# Altium PCB CalibratorPCB_v1.PcbDoc (part 2 of 3)
Units mm, origin at the board's own origin, x right, y up, seen from the top; angles counter-clockwise.
Board outline 100 x 100 mm, 4 copper layers (Top Layer, GND Layer, Power Layer, Bottom Layer), stack 1.526 mm thick; 212 components, 158 nets, 815 pads, 422 vias.
Unrouted connection lines stored in the file: 1.
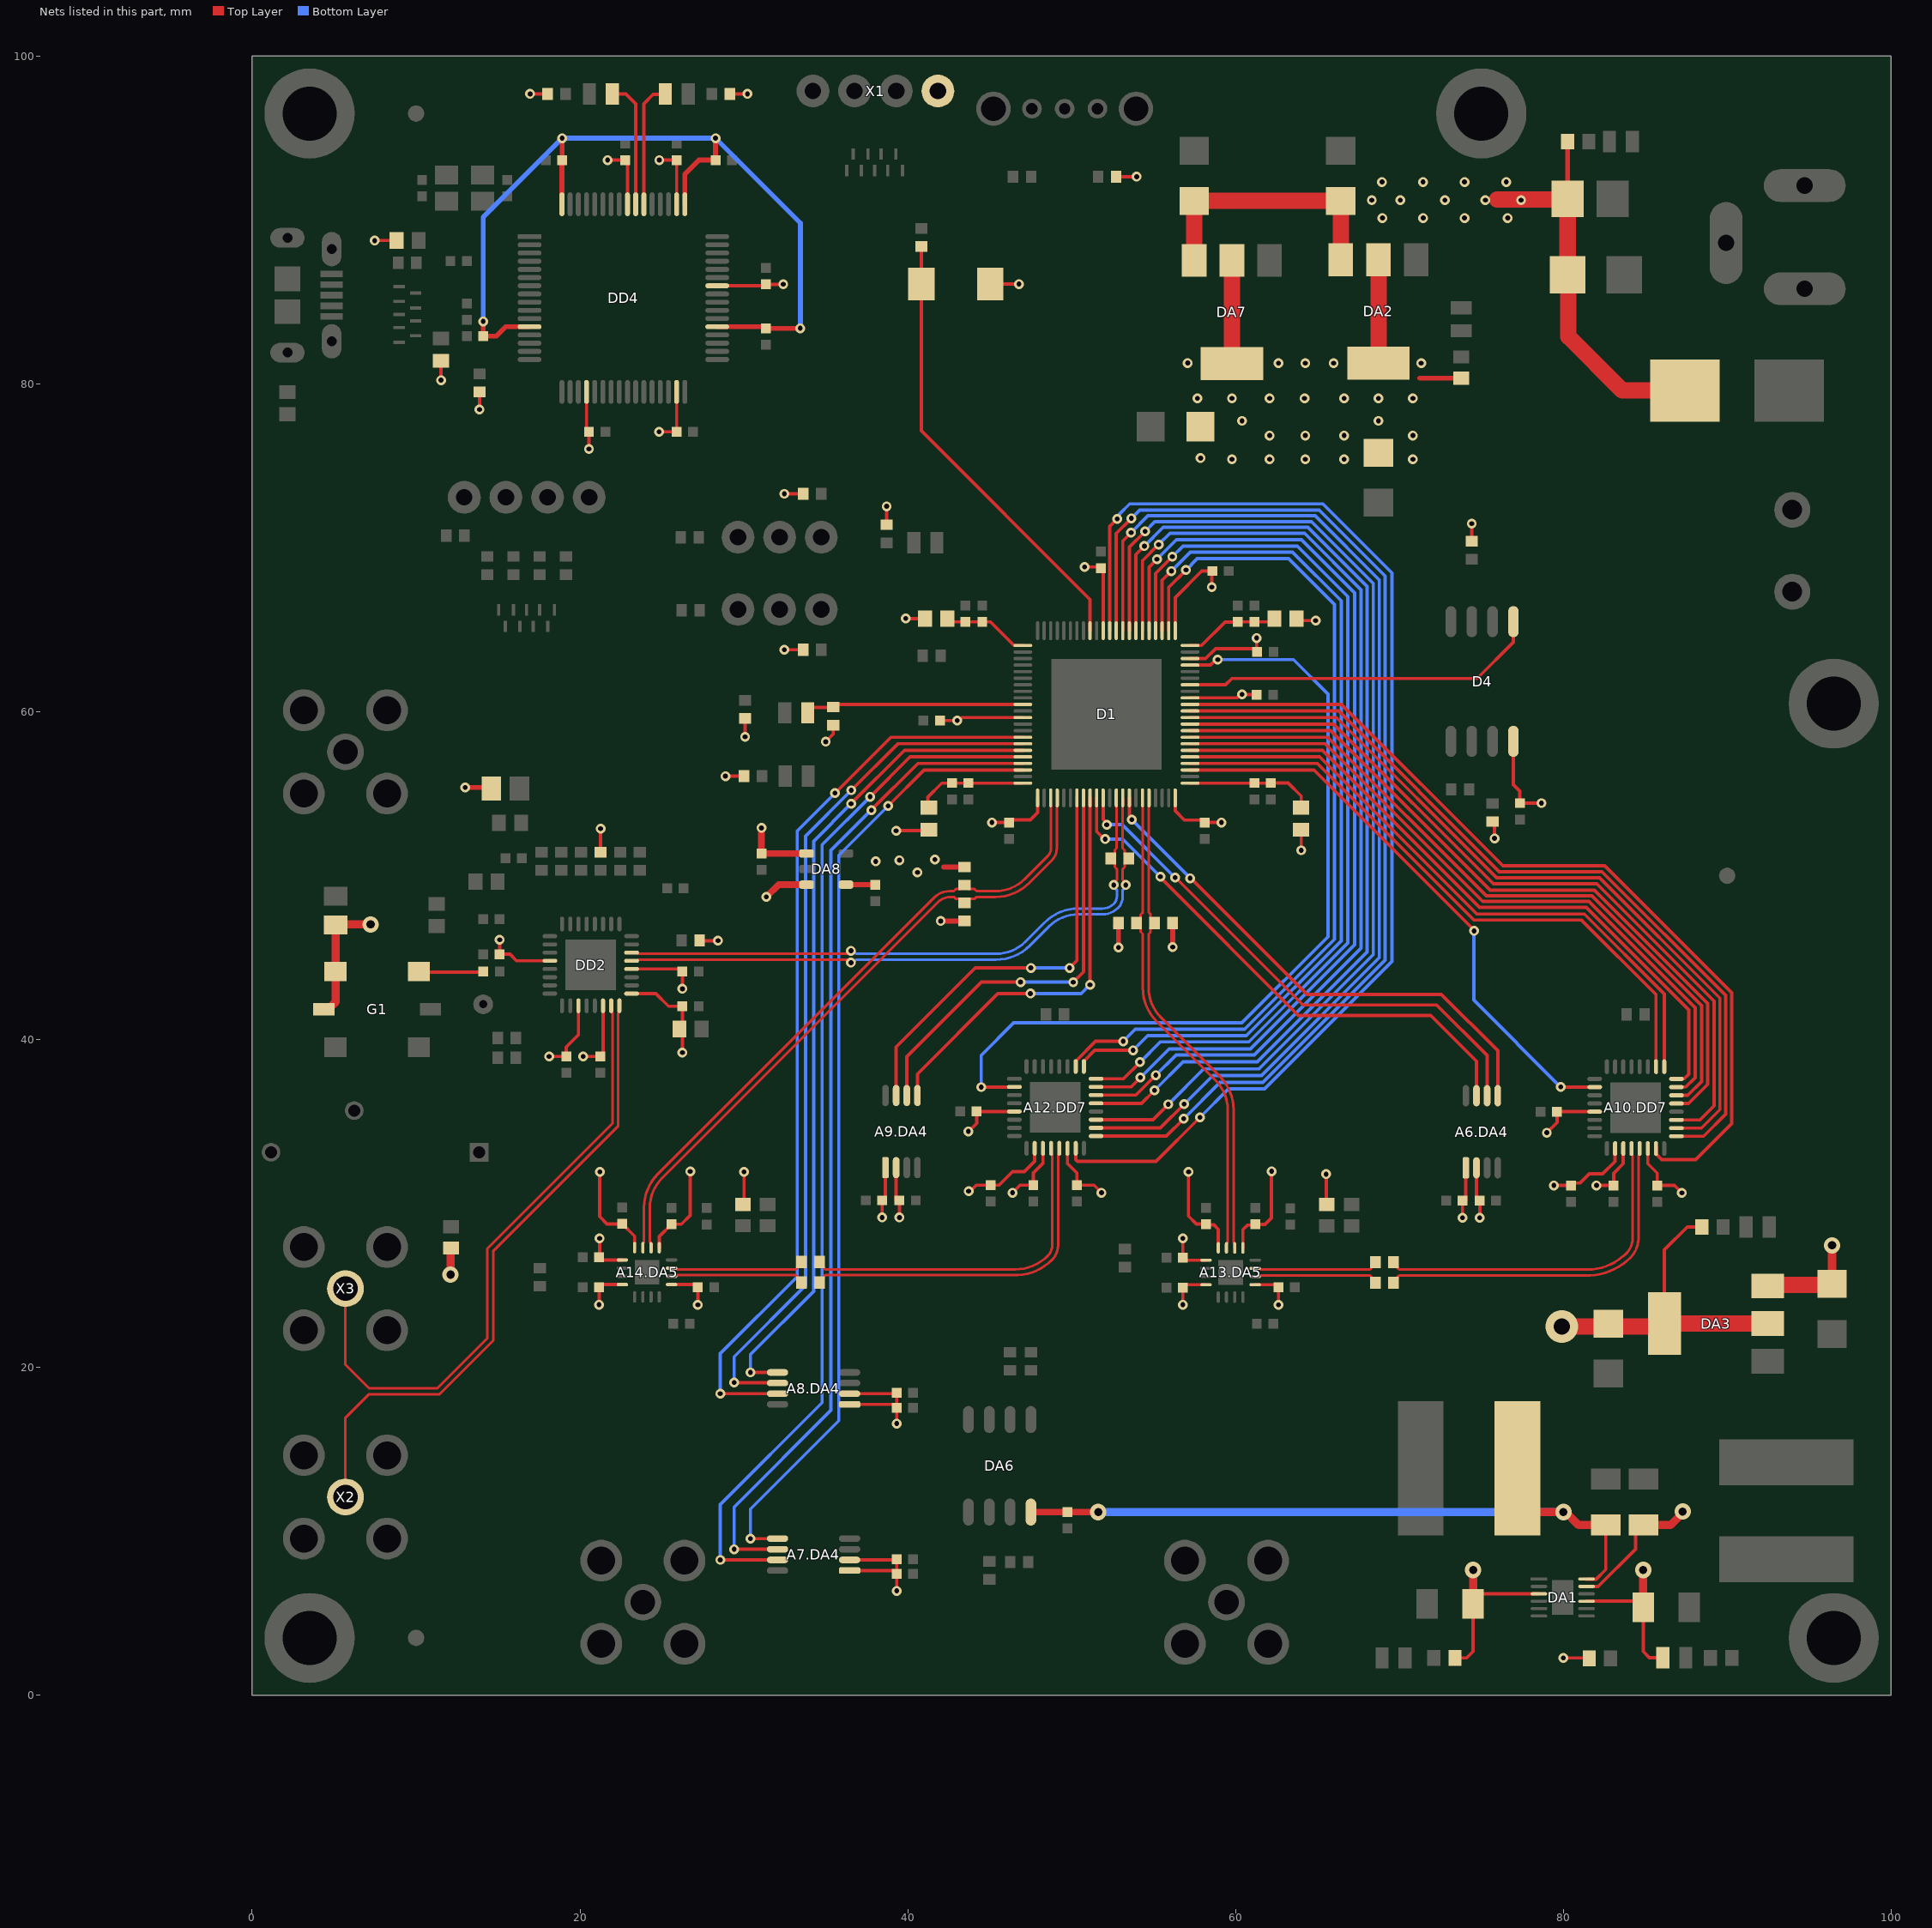
[diagram p4: the nets of this part, all layers, seen from the top]

## Footprints (in the part's own frame and the unit in brackets; to place one, negate y for a bottom-side part, rotate by r counter-clockwise, add the part's x,y. Pads: shape width x height; smd on the part's side, far side on the other; paste and mask are expansions set on the pad) (continued)
SOT-223 [mm]
  rect 1.5x2 smd: 1(-2.3,-3.15) 2(0,-3.15) 3(2.3,-3.15)
  rect 3.8x2 smd: 4(0,3.15)
  silkscreen extent -3.3,-1.75 3.3,1.75, body extent -3.15,-3.68 3.35,3.28, height 1.65
SW_SKRKAEE020 [mm]
  rect 1.6x2 smd: 1(0,0) 2(4.2,0)
  silkscreen extent -0.4,-1.5 4.5,1.5, body extent -0.35,-1.45 4.55,1.45, height 2
TRIM_3006P-1-103LF [mm]
  rect 1.14x1.14 hole 0.74: 1(-7.62,1.27)
  round 1.14 hole 0.74: 2(0,-1.27) 3(5.08,1.27)
  silkscreen extent -11.49,-2.41 9.9,2.41, body extent -10.67,-2.47 9.91,2.36, height 6.6
TSOP65P490X110-8N [mm] "TSOP, 8-Leads, Body 3,00x3,00mm, Pitch 0,65mm, IPC Medium Density"
  rrect50% 1.3x0.4 smd: 1(-2.2,0.975)
  oval 1.3x0.4 smd: 2(-2.2,0.325) 3(-2.2,-0.325) 4(-2.2,-0.975) 5(2.2,-0.975) 6(2.2,-0.325) 7(2.2,0.325) 8(2.2,0.975)
  silkscreen extent -2.32,-1.55 1.15,1.9, body extent -2.45,-1.55 2.45,1.55, height 1.1
TSX-3225_V [mm] "SMD, 4-Leads, Body 3.2x2.5mm"
  rect 1.4x1.15 smd: 1(-1.1,-0.8) 2(1.1,-0.8) 3(1.1,0.8) 4(-1.1,0.8)
  silkscreen extent -2.25,-1.75 -2.15,-1.65, body extent -1.6,-1.25 1.6,1.25, height 0.6
TYPEA [mm] "Molded Capacitor, 2-Leads, Body 3.40x1.80mm"
  rect 1.7x1.8 smd: 1(-1.525,0) 2(1.525,0)
  silkscreen extent -2.88,-0.9 0.27,0.9, body extent -1.92,-0.9 1.92,0.9, height 1.8
TYPEB [mm] "Molded Capacitor, 2-Leads, Body 3.7x3mm, IPC Medium Density"
  rect 1.95x2.25 smd: 1(-1.375,0) 2(1.375,0)
  silkscreen extent -2.62,-1.5 1.85,1.8, body extent -1.85,-1.5 1.85,1.5, height 2.11
U-DFN3810-9 [mm]
  rect 0.2x0.7 smd: 1(-1.7,-0.5) 2(-0.8,-0.5) 3(0,-0.5) 4(0.8,-0.5) 5(1.7,-0.5) 6(1.3,0.5) 7(0.4,0.5) 8(-0.4,0.5) 9(-1.3,0.5)
  silkscreen extent -2.38,-1.38 2.16,0.51, body extent -1.92,-0.53 1.92,0.53, height 0.55

## Part data
A6.C40 A7.C40 A8.C40 A9.C40 A13.C55 A13.C56 A13.C57 A13.C58 A13.C59 A13.C60 A13.C61 A14.C55 A14.C56 A14.C57 A14.C58 A14.C59 A14.C60 A14.C61 C1 C2 C3 C4 C5 C6 C7 C8 C12 C13 C14 C15 C16 C19 C21 C23 C25 C26 C27 C28 C30 C42 C44 C45 C46 C49 C50 C51 C52 C53 C54 C66: library part CAP0402, Manufacturer="Samsung Electro-Mechanics", ManufacturerAlt=JLCPCB, MPN=CL05B104KB54PNC, MPNAlt=C307331, Tolerance=10%, Voltage=50V, CFootprint=CAP0402, ClassName=Capacitor, ComponentLink1Description=Datasheet, ComponentLink1URL=https://datasheet.lcsc.com/lcsc/1810191222_Samsung-Electro-Mechanics-CL05B104KB54PNC_C307331.pdf, Height=0.5mm, MntType=SMD, MSL="MSL 1", Notes="Basic Part", Package=CAP0402, Part Number=CAP0402, PartType="CHIP CERAMIC CAPACITOR", Pins=2, RoHS=Comply, Weight=1.500mg
  A6.C40 A7.C40 A8.C40 A9.C40 A13.C56 A13.C57 A13.C58 A13.C59 A13.C60 A13.C61 A14.C56 A14.C57 A14.C58 A14.C59 A14.C60 A14.C61 C1 C2 C3 C4 C5 C6 C7 C8 C12 C13 C14 C15 C16 C19 C21 C23 C25 C26 C27 C28 C30 C42 C44 C45 C46 C49 C50 C51 C52 C53 C54 C66: BOMDescription="SMD CHIP CERAMIC CAPACITOR CAP0402 100nF 10% 50V  CL05B104KB54PNC"
  A13.C55 A14.C55: BOMDescription="SMD CHIP CERAMIC CAPACITOR CAP0402 0uF 10% 50V  CL05B104KB54PNC"
A6.C41 A7.C41 A8.C41 A9.C41 C47 C48: library part CAP0402, Manufacturer="Samsung Electro-Mechanics", ManufacturerAlt=JLCPCB, MPN=CL05C100JB5NNNC, MPNAlt=C32949, Voltage=50V, BOMDescription="SMD CHIP CERAMIC CAPACITOR CAP0402 10pF  50V  CL05C100JB5NNNC", CFootprint=CAP0402, ClassName=Capacitor, ComponentLink1Description=Datasheet, MntType=SMD, MSL="MSL 1", Package=CAP0402, Part Number=CAP0402, PartType="CHIP CERAMIC CAPACITOR", Pins=2, RoHS=Comply
A6.DA4 A7.DA4 A8.DA4 A9.DA4: library part AD5662, Manufacturer="Analog Devices", Package=MSOP-8, BOMDescription="SMD DAC MSOP-8 AD5662    AD5662BRMZ", CFootprint=TSOP65P490X110-8N, ClassName=DAC, ComponentLink1Description=Datasheet, ComponentLink1URL=https://www.analog.com/media/en/technical-documentation/data-sheets/AD5662.pdf, MntType=SMD, MPN=AD5662BRMZ, MSL="MSL 1", Part Number=AD5662, PartType=DAC, Pins=8, RoHS=Comply
A10.C62 A10.C63 A10.C64 A10.C65 A12.C62 A12.C63 A12.C64 A12.C65 C69 C70: library part CAP0402, CFootprint=CAP0402, ClassName=Capacitor, ComponentLink1Description=Datasheet, MntType=SMD, MSL="MSL 1", Package=CAP0402, Part Number=CAP0402, PartType="CHIP CERAMIC CAPACITOR", Pins=2, RoHS=Comply
  A10.C62 A10.C63 A10.C64 A10.C65 A12.C62 A12.C63 A12.C64 A12.C65: BOMDescription="SMD CHIP CERAMIC CAPACITOR CAP0402 100nF  *"
  C69 C70: BOMDescription="SMD CHIP CERAMIC CAPACITOR CAP0402 1 мк  *"
A10.DD7 A12.DD7: Manufacturer=ONSEMI, Package=QFN-32, BOMDescription="SMD Delay Line QFN-32 Value    MC100EP196BMNG", CFootprint=QFN-32_N_TP, ClassName=DelayLine, ComponentLink1Description=Datasheet, ComponentLink1URL=https://eu.mouser.com/datasheet/2/308/1/MC100EP196B_D-2315397.pdf, MntType=SMD, MPN=MC100EP196BMNG, MSL="MSL 1", Part Number=MC100EP196BMNG, PartType="Delay Line", Pins=32, RoHS=Comply
A10.R48 A12.R48 A13.R43 A13.R44 A14.R43 A14.R44 R9 R15 R49 R50 R51 R52 R54 R55 R58 R59 R60: library part RES0402, Package=RESC0402(1005)_M, CFootprint=RESC0402(1005)_M, ClassName=Resistor, ComponentLink1Description=Datasheet, MntType=SMD, MSL="MSL 1", Part Number=RES0402, PartType="CHIP RESISTOR", Pins=2, RoHS=Comply
  A10.R48 A12.R48 R15: BOMDescription="SMD CHIP RESISTOR RESC0402(1005)_M 100R"
  A13.R43 A13.R44 A14.R43 A14.R44: BOMDescription="SMD CHIP RESISTOR RESC0402(1005)_M 50R"
  R9: BOMDescription="SMD CHIP RESISTOR RESC0402(1005)_M 1K"
  R49 R50 R51 R52: BOMDescription="SMD CHIP RESISTOR RESC0402(1005)_M 0R"
  R54 R55 R58 R59: BOMDescription="SMD CHIP RESISTOR RESC0402(1005)_M 50"
  R60: BOMDescription="SMD CHIP RESISTOR RESC0402(1005)_M 4.7K"
A13.DA5 A14.DA5: library part ADCMP582BCPZ, "Ultrafast SiGe Voltage Comparator, + / - 5 V, 180 ps Delay, Industrial, 16-pin QFN (CP-16-3), Reel", Manufacturer=AD, Package=LFCSP-16, BOMDescription="SMD Comparator LFCSP-16 Value    ADCMP582BCPZ", CFootprint=ADI-CP-16-3_N, ClassName=Comparator, ComponentLink1Description=Datasheet, ComponentLink1URL=https://www.analog.com/media/en/technical-documentation/data-sheets/ADCMP580_581_582.pdf, MntType=SMD, MPN=ADCMP582BCPZ, MSL="MSL 1", Part Number=ADCMP582BCPZ, PartType=Comparator, Pins=16, RoHS=Comply
A13.R45 A14.R45: library part RES0402, Manufacturer="UNI-ROYAL(Uniroyal Elec)", ManufacturerAlt=JLCPCB, MPN=0402WGF4700TCE, MPNAlt=C25117, Package=RESC0402(1005)_M, Tolerance=1%, BOMDescription="SMD CHIP RESISTOR RESC0402(1005)_M 470R 1%   0402WGF4700TCE", CFootprint=RESC0402(1005)_M, ClassName=Resistor, ComponentLink1Description=Datasheet, MntType=SMD, MSL="MSL 1", Part Number=RES0402, PartType="CHIP RESISTOR", Pins=2, RoHS=Comply
A13.R46 A14.R46: library part RES, Manufacturer="UNI-ROYAL(Uniroyal Elec)", ManufacturerAlt=JLCPCB, MPN=0603WAF2400T5E, MPNAlt=C23350, Package=RESC0603N, BOMDescription="SMD CHIP RESISTOR RESC0603N 240    0603WAF2400T5E", CFootprint=RESC0603N, ClassName=Resistor, ComponentLink1Description=Datasheet, MntType=SMD, MSL="MSL 1", Part Number=RES, PartType="CHIP RESISTOR", Pins=2, RoHS=Comply
A13.R47 A14.R47 R24 R28 R29 R32 R33: library part RES, Package=RESC0603N, CFootprint=RESC0603N, ClassName=Resistor, ComponentLink1Description=Datasheet, MntType=SMD, MSL="MSL 1", Part Number=RES, PartType="CHIP RESISTOR", Pins=2, RoHS=Comply
  A13.R47 A14.R47: BOMDescription="SMD CHIP RESISTOR RESC0603N 160R"
  R24: BOMDescription="SMD CHIP RESISTOR RESC0603N 5.1 к"
  R28 R29 R32 R33: BOMDescription="SMD CHIP RESISTOR RESC0603N 10K"
C9: library part CAPC, Package=CAPC0805N, BOMDescription="SMD CHIP CERAMIC CAPACITOR CAPC0805N 100 nF  *", CFootprint=CAPC0805N, ClassName=Capacitor, ComponentLink1Description=Datasheet, MntType=SMD, MSL="MSL 1", Part Number=CAPC, PartType="CHIP CERAMIC CAPACITOR", Pins=2, RoHS=Comply
C10 C11 C17 C29: library part CAPC, Manufacturer="Samsung Electro-Mechanics", ManufacturerAlt=JLCPCB, MPN=CL10A106KP8NNNC, MPNAlt=C19702, Package=CAPC0603N, Tolerance=10%, Voltage=10V, BOMDescription="SMD CHIP CERAMIC CAPACITOR CAPC0603N 10uF 10% 10V  CL10A106KP8NNNC", CFootprint=CAPC0603N, ClassName=Capacitor, ComponentLink1Description=Datasheet, ComponentLink1URL=https://datasheet.lcsc.com/lcsc/1810191219_Samsung-Electro-Mechanics-CL10A106KP8NNNC_C19702.pdf, MntType=SMD, MSL="MSL 1", Part Number=CAPC, PartType="CHIP CERAMIC CAPACITOR", Pins=2, RoHS=Comply
C18 C20 C22 C24: library part CAP0402, Manufacturer="Samsung Electro-Mechanics", ManufacturerAlt=JLCPCB, MPN=CL05A475MP5NRNC, MPNAlt=C23733, Tolerance=20%, Voltage=10V, BOMDescription="SMD CHIP CERAMIC CAPACITOR CAP0402 4.7uF 20% 10V  CL05A475MP5NRNC", CFootprint=CAP0402, ClassName=Capacitor, ComponentLink1Description=Datasheet, ComponentLink1URL=https://datasheet.lcsc.com/lcsc/1810191211_Samsung-Electro-Mechanics-CL05A475MP5NRNC_C23733.pdf, Height=0.5mm, MntType=SMD, MSL="MSL 1", Package=CAP0402, Part Number=CAP0402, PartType="CHIP CERAMIC CAPACITOR", Pins=2, RoHS=Comply, Weight=1.500mg
C31 C32 C33 C34: library part CAPC, Package=CAPC3216N, CFootprint=CAPC3216N, ClassName=Capacitor, ComponentLink1Description=Datasheet, MntType=SMD, MSL="MSL 1", Part Number=CAPC, PartType="CHIP CERAMIC CAPACITOR", Pins=2, RoHS=Comply
  C31 C32 C34: BOMDescription="SMD CHIP CERAMIC CAPACITOR CAPC3216N 10uF  *"
  C33: BOMDescription="SMD CHIP CERAMIC CAPACITOR CAPC3216N 100nF  *"
C35: library part "Cap TANTAL", Manufacturer=KEMET, ManufacturerAlt=JLCPCB, MPN=T491B107M010AT, MPNAlt=C90975, Package=TYPEB, Tolerance=20%, Voltage=10V, BOMDescription="SMD CHIP TANTALUM CAPACITOR TYPEB 100uF 20% 10V  T491B107M010AT", CFootprint=TYPEB, ClassName=Capacitor, ComponentLink1Description=Datasheet, ComponentLink1URL=https://content.kemet.com/datasheets/KEM_T2005_T491.pdf, Height=1.9mm, MntType=SMD, MSL="MSL 1", Part Number="Cap TANTAL", PartType="CHIP TANTALUM CAPACITOR", Pins=2, RoHS=Comply, Weight=107.45mg
C36 C37 C38 C39: library part "Cap TANTAL", Manufacturer=AVX, ManufacturerAlt=JLCPCB, MPN=TAJA106K016RNJ, MPNAlt=C7171, Package=TYPEA, Tolerance=10%, Voltage=16V, BOMDescription="SMD CHIP TANTALUM CAPACITOR TYPEA 10uF 10% 16V  TAJA106K016RNJ", CFootprint=TYPEA, ClassName=Capacitor, ComponentLink1Description=Datasheet, ComponentLink1URL=https://datasheets.kyocera-avx.com/TAJ.pdf, Height=1.60, MntType=SMD, MSL="MSL 1", Part Number="Cap TANTAL", PartType="CHIP TANTALUM CAPACITOR", Pins=2, RoHS=Comply
C43: library part CAP0402, Manufacturer=TDK, ManufacturerAlt=JLCPCB, MPN=C1005X5R0J335MTJ00E, MPNAlt=C694161, Voltage=6.3V, BOMDescription="SMD CHIP CERAMIC CAPACITOR CAP0402 3.3uF  6.3V  C1005X5R0J335MTJ00E", CFootprint=CAP0402, ClassName=Capacitor, ComponentLink1Description=Datasheet, MntType=SMD, MSL="MSL 1", Package=CAP0402, Part Number=CAP0402, PartType="CHIP CERAMIC CAPACITOR", Pins=2, RoHS=Comply
C67 C68: library part "Cap TANTAL", Package=TYPEA, BOMDescription="SMD CHIP TANTALUM CAPACITOR TYPEA 10 uF", CFootprint=TYPEA, ClassName=Capacitor, ComponentLink1Description=Datasheet, MntType=SMD, MSL="MSL 1", Part Number="Cap TANTAL", PartType="CHIP TANTALUM CAPACITOR", Pins=2, RoHS=Comply
D1: library part GW1N-UV9QN88I5, Manufacturer=GoWin, Package=QFN88, BOMDescription=GW1N-UV9QN88I5, CFootprint=QFN88_0.4pitch, ClassName=FPGA, ComponentLink1Description=Datasheet, ComponentLink1URL=https://www.gowinsemi.com/en/support/database/?support_search=DS100, MntType=SMD, MPN=GW1N-UV9QN88I5, MSL="MSL 1", Part Number=GW1N-UV9QN88I5, PartType=FPGA, Pins=88, RoHS=Comply
D2 D3 D10 D11: library part LEDC, Manufacturer="Everlight Elec", ManufacturerAlt=JLCPCB, MPN=19-217/GHC-YR1S2/3T, MPNAlt=C72043, Package=LED603, BOMDescription="SMD CHIP LED LED603 Green    19-217/GHC-YR1S2/3T", CFootprint=LED603, ClassName=LED, ComponentLink1Description=Datasheet, MntType=SMD, MSL="MSL 5", Part Number=LEDC, PartType="CHIP LED", Pins=2, RoHS=Comply
D4: library part W25Q128JVSIM, Manufacturer=WINBOND, Package=SO-8, BOMDescription=W25Q128JVSIM, CFootprint=SOIC-8_208MIL_M, ClassName=Flash, ComponentLink1Description=Datasheet, ComponentLink1URL=https://www.winbond.com/resource-files/w25q128jv_dtr%20revc%2003272018%20plus.pdf, MntType=SMD, MPN=W25Q128JVSIM, MSL="MSL 1", Part Number=W25Q128JVSIM, PartType=Flash, Pins=8, RoHS=Comply
D5 D6 D8 D9 D12: library part LEDC, Package=LED603, BOMDescription="SMD CHIP LED LED603 Green", CFootprint=LED603, ClassName=LED, ComponentLink1Description=Datasheet, MntType=SMD, MSL="MSL 5", Part Number=LEDC, PartType="CHIP LED", Pins=2, RoHS=Comply
D7: library part LEDC, Manufacturer="Everlight Elec", ManufacturerAlt=JLCPCB, MPN=19-217/GHC-YR1S2/3T, MPNAlt=C72043, Package=LED603, Power=110mW, Voltage=3.3V, BOMDescription="SMD CHIP LED LED603 Green  3.3V  19-217/GHC-YR1S2/3T", CFootprint=LED603, ClassName=LED, ComponentLink1Description=Datasheet, ComponentLink1URL=https://datasheet.lcsc.com/lcsc/1811101510_Everlight-Elec-19-217-GHC-YR1S2-3T_C72043.pdf, Height="0.4 mm", MntType=SMD, MSL="MSL 5", Part Number=LEDC, PartType="CHIP LED", Pins=2, RoHS=Comply, Weight="118.61 mg"
DA1: "Dual-Output Power Supply", Case/Package=QFN, Manufacturer=TI, Max Operating Temperature=85°C, Max Supply Voltage=5V, Min Operating Temperature=-40°C, Min Supply Voltage=2.9V, Output Voltage=-5V, Package=WSON, Package Quantity=3000, BOMDescription="SMD Switch Power WSON TPS65133DPDR    TPS65133DPDR", CFootprint=FP-DPD0012A-IPC_A, ClassName="Switch Power", ComponentLink1Description=Datasheet, ComponentLink1URL=https://www.ti.com/lit/ds/symlink/tps65133.pdf?ts=1627858987235&ref_url=https%253A%252F%252Fwww.google.com%252F, Lead Free="Lead Free", MntType=SMD, Mount="Surface Mount", MPN=TPS65133DPDR, MSL="MSL 1", Number of Channels=2, Number of Outputs=2, Number of Pins=12, Packaging="Tape and Reel", Part Number=TPS65133DPDR, PartType="Switch Power", Pins=13, Radiation Hardening=No, RoHS=Comply, RoHS Compliant=Yes
DA2 DA3: library part LM1117MPX-3.3/NOPB, Manufacturer="Texas Instruments", ManufacturerAlt=JLCPCB, MPNAlt=C9662, Package=SOT-223, Voltage=15V, BOMDescription="SMD LDO SOT-223 3.3V  15V  LM1117MPX-3.3/NOPB", CFootprint=SOT-223, ClassName=LDO, ComponentLink1Description=Datasheet, ComponentLink1URL=https://www.ti.com/lit/ds/symlink/lm1117.pdf, Height=35.0, MntType=SMD, MPN=LM1117MPX-3.3/NOPB, MSL="MSL 1", Part Number=LM1117MPX-3.3/NOPB, PartType=LDO, Pins=4, RoHS=Comply, Weight="290 mg"
DA6: Manufacturer=AD, Package=SOIC-8, BOMDescription="SMD Amplifier SOIC-8 Value    AD8032ARZ", CFootprint=SOIC-8_M, ClassName=Amplifier, ComponentLink1Description=Datasheet, ComponentLink1URL=https://eu.mouser.com/datasheet/2/609/AD8031_8032-1502047.pdf, MntType=SMD, MPN=AD8032ARZ, MSL="MSL 1", Part Number=AD8032ARZ, PartType=Amplifier, Pins=8, RoHS=Cpmply
DA7: Manufacturer="Texas Instruments", MPNAlt=C9662, Package=SOT-223, Voltage=3.3V, BOMDescription="SMD LDO SOT-223 3.3V  3.3V  LM1117MPX-3.3/NOPB", CFootprint=SOT-223, ClassName=LDO, ComponentLink1Description=Datasheet, ComponentLink1URL=https://www.ti.com/lit/ds/symlink/lm1117.pdf, Height=1,8, MntType=SMD, MPN=LM1117MPX-3.3/NOPB, MSL="MSL 1", Part Number=LM1117MPX-3.3/NOPB, PartType=LDO, Pins=4, RoHS=Comply, Weight="290 mg"
DA8: Manufacturer=TI, Package=SOT-23-5, BOMDescription="SMD LDO SOT-23-5 1.3 V    TPS7A0313PDBVR", CFootprint=SOT-23-5, ClassName=LDO, ComponentLink1Description=Datasheet, ComponentLink1URL=https://www.ti.com/lit/ds/symlink/tps7a03.pdf, MntType=SMD, MPN=TPS7A0313PDBVR, MSL="MSL 1", Part Number=TPS7A0313PDBVR, PartType=LDO, Pins=5, RoHS=Comply
DD1 DD6: library part D3V3X8U9LP3810, Manufacturer=DiodesInc, Package=U-DFN3810-9, BOMDescription=D3V3X8U9LP3810, CFootprint=U-DFN3810-9, ClassName=TVS, ComponentLink1Description=Datasheet, ComponentLink1URL=https://www.diodes.com/assets/Datasheets/D3V3X8U9LP3810.pdf, MntType=SMD, MPN=D3V3X8U9LP3810, MSL="MSL 1", Part Number=D3V3X8U9LP3810, PartType=TVS, Pins=9, RoHS=Comply
DD2: Manufacturer="Texas Instruments", Package=VQFN32, BOMDescription="SMD PLL VQFN32 Value    CDCM61004", CFootprint=QFN-32_N_TP, ClassName=PLL, ComponentLink1Description=Datasheet, ComponentLink1URL=https://www.ti.com/lit/ds/symlink/cdcm61004.pdf, MntType=SMD, MPN=CDCM61004, MSL="MSL 1", Part Number=CDCM61004, PartType=PLL, Pins=32, RoHS=Comply
DD4: library part FT2232HL, Manufacturer=FTDI, Package=LQFP64, BOMDescription=FT2232HL, CFootprint=LQFP64, ClassName=FTDI, ComponentLink1Description=Datasheet, ComponentLink1URL=https://ftdichip.com/wp-content/uploads/2020/07/DS_FT2232H.pdf, MntType=SMD, MPN=FT2232HL, MSL="MSL 1", Part Number=FT2232HL, PartType=FTDI, Pins=64, RoHS=Comply
DD5: library part D3V3X8U9LP3810, Manufacturer=DiodesInc, ManufacturerAlt=JLCPCB, MPNAlt=C1973794, Package=U-DFN3810-9, BOMDescription=D3V3X8U9LP3810, CFootprint=U-DFN3810-9, ClassName=TVS, ComponentLink1Description=Datasheet, ComponentLink1URL=https://www.elitan.ru/pdf/1/1/5/3/0/11530248.pdf, MntType=SMD, MPN=D3V3X8U9LP3810, MSL="MSL 1", Part Number=D3V3X8U9LP3810, PartType=TVS, Pins=9, RoHS=Comply
FU1: library part 0154003.DR, Manufacturer=Littelfuse, ManufacturerAlt=JLCPCB, MPNAlt=C206912, Package=OMNI-BLOK, Voltage="125 V", BOMDescription="SMD Fuse OMNI-BLOK 3A  125 V  0154003.DR", CFootprint=FP-0154-MFG, ComponentLink1Description=Datasheet, ComponentLink1URL=https://www.littelfuse.com/media?resourcetype=datasheets&itemid=1cd64ad0-b793-4012-8c75-7e2fefbc1368&filename=littelfuse-fuse-154-154t-154l-154tl-datasheet.pdf, Height="3.81 mm", MntType=SMD, MPN=0154003.DR, MSL="MSL 1", Part Number=0154003.DR, PartType=Fuse, Pins=2, RoHS=Comply, Weight="819.8 mg"
G1: Manufacturer=IQD, Package=LFTVXO076346REEL_IQD, BOMDescription="SMD VCTCXO LFTVXO076346REEL_IQD Value    LFTVXO076346REEL", CFootprint=LFTVXO076346REEL_IQD, ComponentLink1Description=Datasheet, ComponentLink1URL=https://nl.mouser.com/datasheet/2/741/LFTVXO076346Reel-1148098.pdf, MntType=SMD, MPN=LFTVXO076346REEL, MSL="SML 1", Part Number=LFTVXO076346REEL, PartType=VCTCXO, Pins=6, RoHS=Comply
L1 L2 L3 L4: library part BLM18KG221SN1D, Manufacturer="Murata Electronics", ManufacturerAlt=JLCPCB, MPNAlt=C88980, Package=CAPC0603N, Tolerance=25%, BOMDescription="SMD Ferrite Beads CAPC0603N 220R 25%   BLM18KG221SN1D", CFootprint=CAPC0603N, ClassName="Ferrite Beads", ComponentLink1Description=Datasheet, ComponentLink1URL=https://ru.mouser.com/datasheet/2/281/ENFA0003-1915778.pdf, Height=0.6mm, MntType=SMD, MPN=BLM18KG221SN1D, MSL="MSL 1", Part Number=BLM18KG221SN1D, PartType="Ferrite Beads", Pins=2, RoHS=Comply, Weight=5mg
L5: library part PBY201209T-121Y-N, Manufacturer="Chilisin Elec", ManufacturerAlt=JLCPCB, MPNAlt=C142063, Package=0805, BOMDescription="SMD INDUCTOR 0805 120R @ 100MHz    PBY201209T-121Y-N", CFootprint=IND-0805_N, ClassName=Inductor, ComponentLink1Description=Datasheet, ComponentLink1URL=https://datasheet.lcsc.com/lcsc/1810261221_Chilisin-Elec-PBY201209T-121Y-N_C142063.pdf, MntType=SMD, MPN=PBY201209T-121Y-N, MSL="MSL 1", Part Number=PBY201209T-121Y-N, PartType=INDUCTOR, Pins=2, RoHS=Comply
L6 L7: library part SRN8040-4R7Y, Manufacturer=Bourns, Package=ind_SRN8040, BOMDescription="SMD INDUCTOR ind_SRN8040 4.7uH    SRN8040-4R7Y", CFootprint=ind_SRN8040, ClassName=Inductor, ComponentLink1Description=Datasheet, ComponentLink1URL=https://spb.terraelectronica.ru/pdf/show?pdf_file=http%253A%252F%252Fwww.farnell.com%252Fdatasheets%252F1927816.pdf, MntType=SMD, MPN=SRN8040-4R7Y, MSL="MSL 1", Part Number=SRN8040-4R7Y, PartType=INDUCTOR, Pins=2, RoHS=Comply
L8: library part Inductor_SMD, DCResistance=120mOhm, Manufacturer="FH(Guangdong Fenghua Advanced Tech)", ManufacturerAlt=JLCPCB, MPN=CBW160808U500T, MPNAlt=C394476, Package=CAPC0603N, BOMDescription="SMD INDUCTOR CAPC0603N 50 Ohm @ 100MHz    CBW160808U500T", CFootprint=CAPC0603N, ClassName=Inductor, ComponentLink1Description=Datasheet, ComponentLink1URL=https://datasheet.lcsc.com/lcsc/1912111437_FH-Guangdong-Fenghua-Advanced-Tech-CBW160808U500T_C394476.pdf, MntType=SMD, MSL="MSL 1", Part Number=Inductor_SMD, PartType=INDUCTOR, Pins=2, RoHS=Comply
L9 L10: library part BLM18KG221SN1D, Manufacturer=Murata, ManufacturerAlt=JLCPCB, MPNAlt=C88980, Package=CAPC0603N, Tolerance=25%, BOMDescription="SMD Ferrite Beads CAPC0603N 220 Ohm 25%   BLM18KG221SN1D", CFootprint=CAPC0603N, ClassName="Ferrite Beads", ComponentLink1Description=Datasheet, ComponentLink1URL=https://ru.mouser.com/datasheet/2/281/ENFA0003-1915778.pdf, Height=0.6mm, MntType=SMD, MPN=BLM18KG221SN1D, MSL="MSL 1", Part Number=BLM18KG221SN1D, PartType="Ferrite Beads", Pins=2, RoHS=Comply, Weight=35mg
R1 R2 R4 R5 R7 R8 R27: library part RES0402, Manufacturer=UNI-ROYAL, ManufacturerAlt=JLCPCB, MPN=0402WGF1001TCE, MPNAlt=C11702, Package=RESC0402(1005)_M, Power=1/16W, TempCoeff=100ppm/C, Tolerance=1%, Voltage=50V, BOMDescription="SMD CHIP RESISTOR RESC0402(1005)_M 1K 1% 50V 100ppm/C 0402WGF1001TCE", CFootprint=RESC0402(1005)_M, ClassName=Resistor, ComponentLink1Description=Datasheet, ComponentLink1URL=https://datasheet.lcsc.com/lcsc/1811132311_UNI-ROYAL-Uniroyal-Elec-0402WGF1001TCE_C11702.pdf, Height=0.35mm, MntType=SMD, MSL="MSL 1", Part Number=RES0402, PartType="CHIP RESISTOR", Pins=2, RoHS=Comply
R10 R11 R12: library part RES0402, Manufacturer=UNI-ROYAL, ManufacturerAlt=JLCPCB, MPN=0402WGF4701TCE, MPNAlt=C25900, Package=RESC0402(1005)_M, BOMDescription="SMD CHIP RESISTOR RESC0402(1005)_M 4.7K    0402WGF4701TCE", CFootprint=RESC0402(1005)_M, ClassName=Resistor, ComponentLink1Description=Datasheet, MntType=SMD, MSL="MSL 1", Part Number=RES0402, PartType="CHIP RESISTOR", Pins=2, RoHS=Comply
R13: library part RES0402, Manufacturer=UNI-ROYAL, ManufacturerAlt=JLCPCB, MPN=0402WGF330JTCE, MPNAlt=C25105, Package=RESC0402(1005)_M, Power=1/16W, TempCoeff=200ppm/C, Tolerance=1%, Voltage=50V, BOMDescription="SMD CHIP RESISTOR RESC0402(1005)_M 33R 1% 50V 200ppm/C 0402WGF330JTCE", CFootprint=RESC0402(1005)_M, ClassName=Resistor, ComponentLink1Description=Datasheet, ComponentLink1URL=https://datasheet.lcsc.com/lcsc/1810301314_UNI-ROYAL-Uniroyal-Elec-0402WGF330JTCE_C25105.pdf, Height=0.35mm, MntType=SMD, MSL="MSL 1", Notes="Basic Part", Part Number=RES0402, PartType="CHIP RESISTOR", Pins=2, RoHS=Comply
R14 R23 R35: library part RES0402, Manufacturer="UNI-ROYAL(Uniroyal Elec)", ManufacturerAlt=JLCPCB, MPN=0402WGF1002TCE, MPNAlt=C25744, Package=RESC0402(1005)_M, BOMDescription="SMD CHIP RESISTOR RESC0402(1005)_M 10k    0402WGF1002TCE", CFootprint=RESC0402(1005)_M, ClassName=Resistor, ComponentLink1Description=Datasheet, MntType=SMD, MSL="MSL 1", Part Number=RES0402, PartType="CHIP RESISTOR", Pins=2, RoHS=Comply
R16 R17 R18 R19 R20 R21 R22: library part RES0402, Manufacturer="UNI-ROYAL(Uniroyal Elec)", ManufacturerAlt=JLCPCB, MPN=0402WGF0000TCE, MPNAlt=C17168, Package=RESC0402(1005)_M, CFootprint=RESC0402(1005)_M, ClassName=Resistor, ComponentLink1Description=Datasheet, ComponentLink1URL=https://datasheet.lcsc.com/lcsc/2110251730_UNI-ROYAL-Uniroyal-Elec-0402WGF0000TCE_C17168.pdf, MntType=SMD, MSL="MSL 1", Part Number=RES0402, PartType="CHIP RESISTOR", Pins=2, RoHS=Comply
  R16 R17 R18 R19 R21: BOMDescription="SMD CHIP RESISTOR RESC0402(1005)_M DNI    0402WGF0000TCE"
  R20 R22: BOMDescription="SMD CHIP RESISTOR RESC0402(1005)_M 0    0402WGF0000TCE"
R25 R26 R42: library part RES0402, Manufacturer=UNI-ROYAL, ManufacturerAlt=JLCPCB, MPN=0402WGF4701TCE, MPNAlt=C25900, Package=RESC0402(1005)_M, Power=1/16W, TempCoeff=100ppm/C, Tolerance=1%, Voltage=50V, BOMDescription="SMD CHIP RESISTOR RESC0402(1005)_M 4.7K 1% 50V 100ppm/C 0402WGF4701TCE", CFootprint=RESC0402(1005)_M, ClassName=Resistor, ComponentLink1Description=Datasheet, ComponentLink1URL=https://datasheet.lcsc.com/lcsc/1810301132_UNI-ROYAL-Uniroyal-Elec-0402WGF4701TCE_C25900.pdf, Height=0.35mm, MntType=SMD, MSL="MSL 1", Notes="Basic Part", Part Number=RES0402, PartType="CHIP RESISTOR", Pins=2, RoHS=Comply
R30 R31: library part RES, Manufacturer="UNI-ROYAL(Uniroyal Elec)", ManufacturerAlt=JLCPCB, MPN=0603WAF1002T5E, MPNAlt=C25804, Package=RESC0603N, Power=0.1W, Tolerance=1%, Voltage=75V, BOMDescription="SMD CHIP RESISTOR RESC0603N 10kOhm 1% 75V  0603WAF1002T5E", CFootprint=RESC0603N, ClassName=Resistor, ComponentLink1Description=Datasheet, ComponentLink1URL=https://datasheet.lcsc.com/lcsc/1811062009_UNI-ROYAL-Uniroyal-Elec-0603WAF1002T5E_C25804.pdf, Height=0.45, MntType=SMD, MSL="MSL 1", Part Number=RES, PartType="CHIP RESISTOR", Pins=2, RoHS=Comply
R34: library part RES0402, Manufacturer="UNI-ROYAL(Uniroyal Elec)", ManufacturerAlt=JLCPCB, MPN=0402WGF1202TCE, MPNAlt=C25752, Package=RESC0402(1005)_M, BOMDescription="SMD CHIP RESISTOR RESC0402(1005)_M 12k    0402WGF1202TCE", CFootprint=RESC0402(1005)_M, ClassName=Resistor, ComponentLink1Description=Datasheet, MntType=SMD, MSL="MSL 1", Part Number=RES0402, PartType="CHIP RESISTOR", Pins=2, RoHS=Comply
R36 R37: library part RES0402, Manufacturer="UNI-ROYAL(Uniroyal Elec)", ManufacturerAlt=JLCPCB, MPN=0402WGF2200TCE, MPNAlt=C25091, Package=RESC0402(1005)_M, BOMDescription="SMD CHIP RESISTOR RESC0402(1005)_M 220R    0402WGF2200TCE", CFootprint=RESC0402(1005)_M, ClassName=Resistor, ComponentLink1Description=Datasheet, MntType=SMD, MSL="MSL 1", Part Number=RES0402, PartType="CHIP RESISTOR", Pins=2, RoHS=Comply
R38 R39 R40 R41: library part RES0402, Manufacturer=UNI-ROYAL, ManufacturerAlt=JLCPCB, MPN=0402WGF220JTCE, MPNAlt=C25092, Package=RESC0402(1005)_M, Power=1/16W, TempCoeff=200ppm/C, Tolerance=1%, Voltage=50V, BOMDescription="SMD CHIP RESISTOR RESC0402(1005)_M 22R 1% 50V 200ppm/C 0402WGF220JTCE", CFootprint=RESC0402(1005)_M, ClassName=Resistor, ComponentLink1Description=Datasheet, ComponentLink1URL=https://datasheet.lcsc.com/lcsc/1811011231_UNI-ROYAL-Uniroyal-Elec-0402WGF220JTCE_C25092.pdf, Height=0.35mm, MntType=SMD, MSL="MSL 1", Notes="Basic Part", Part Number=RES0402, PartType="CHIP RESISTOR", Pins=2, RoHS=Comply
R53: Manufacturer=Bourns, BOMDescription="TH RES TRIM_3006P-1-103LF 5.1 к    TRIM_3006P-1-103LF", CFootprint=TRIM_3006P-1-103LF, ComponentLink1Description=Datasheet, ComponentLink1URL=https://static.chipdip.ru/lib/948/DOC011948535.pdf, MntType=TH, MPN=TRIM_3006P-1-103LF, MSL="MSL 1", Package=TRIM_3006P-1-103LF, Part Number=TRIM_3006P-1-103LF, PartType=RES, Pins=3, RoHS=Comply
SB1: library part SKRKAEE020, BOMDescription=SKRKAEE020, CFootprint=SW_SKRKAEE020, ClassName=Button, ComponentLink1Description=Datasheet, ComponentLink1URL=https://datasheet.lcsc.com/lcsc/1809201020_ALPSALPINE-SKRKAEE020_C115357.pdf, MntType=SMD, MPN=SKRKAEE020, MSL="MSL 1", Part Number=SKRKAEE020, PartType=BUTTON, Pins=2, RoHS=Comply